# KiCad board AmigaPCI Mainboard.kicad_pcb (continued)
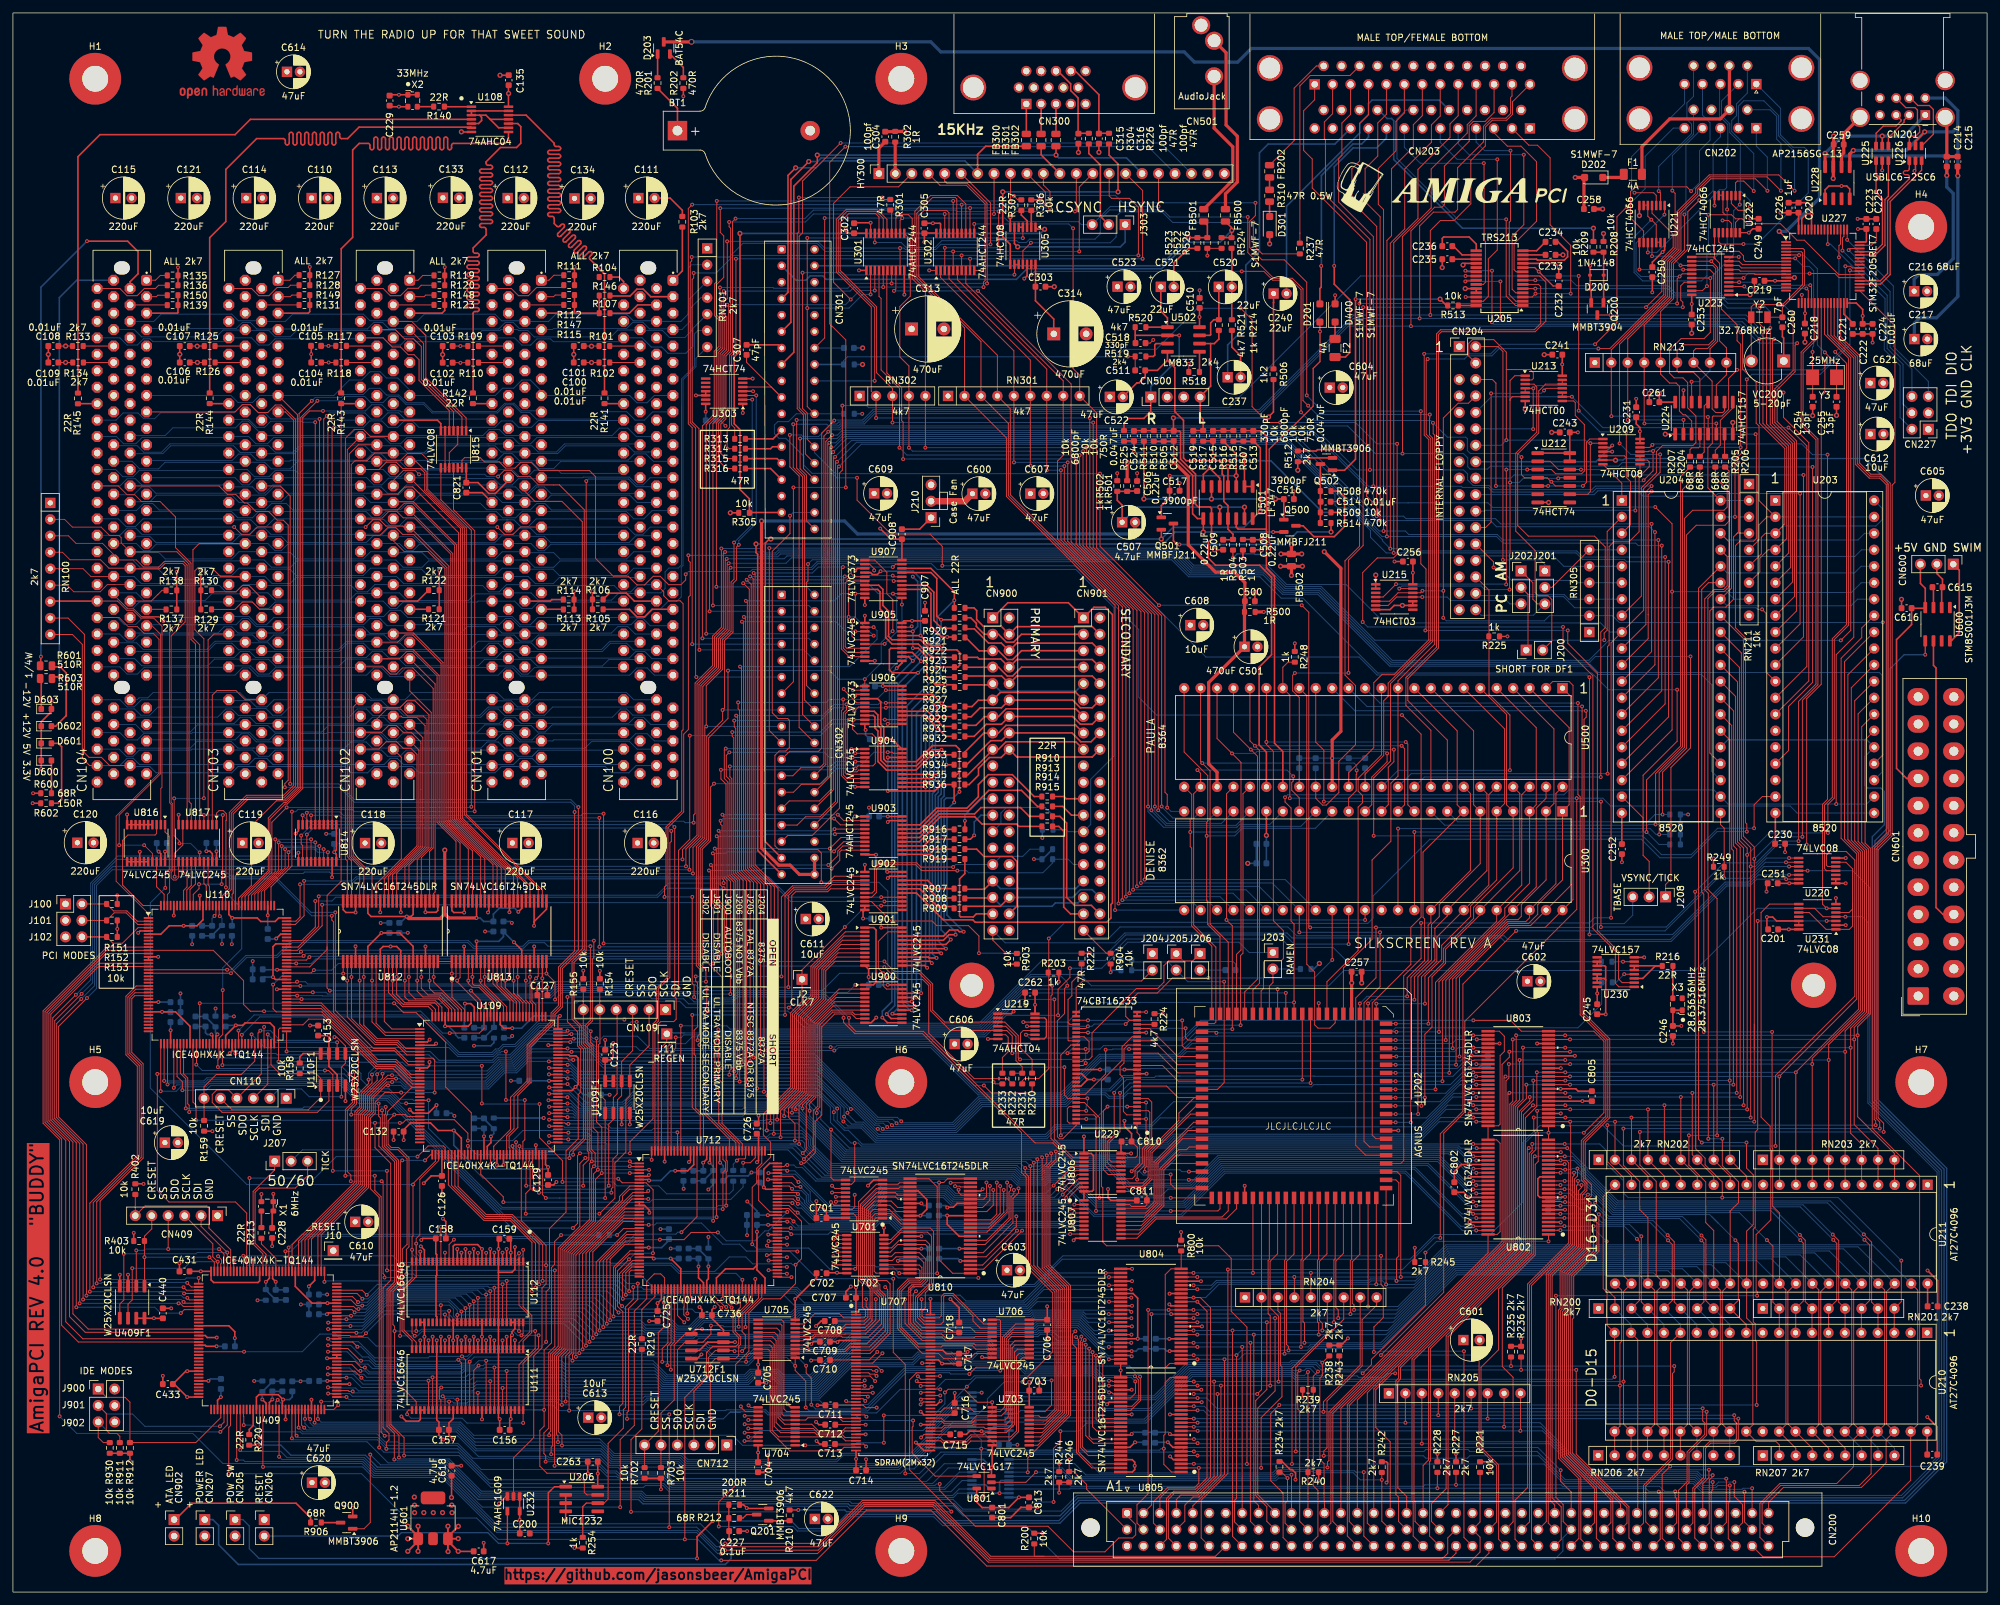
[diagram p0: board, top side]
## Routing (per net, layer and track width the routed paths; a pad name or vN(x,y) marks a point on that pad's centre or on a via; arc(x,y) is an arc through that point) (continued)
/Serial/AUDIOOUT: length 52.3
  Bottom w0.25: C237.1 187.55,192.58 190.36,195.38 190.36,204.89 192.46,207 192.46,222.25 193.8,223.59 204.1,223.59 CN203.36
/Serial/CD: length 99.1
  Top w0.15: v1(229.67,196.67) 229.66,196.69 v1(229.66,202.38) ; v1(271.91,193.47) 271.67,193.24 271.67,180.47 274.77,177.38 274.77,155.96 U203.7 ; v1(224.25,202.38) 224.44,202.57 U205.22
  Bottom w0.15: v1(271.91,193.47) 271.17,193.47 271.17,193.47 270.56,193.47 267.36,196.67 v1(229.67,196.67) ; v1(224.25,202.38) v1(229.66,202.38)
/Serial/CD-IN: length 36.3
  Top w0.15: v1(227.1,220.65) 227.13,220.62 227.13,216.73 227.14,216.72 227.14,208.77 227.34,208.56 227.34,202.24 227.02,201.92 U205.23
  Bottom w0.15: v1(227.1,220.65) 227.08,220.62 217.3,220.62 214.83,223.09 CN203.33
/Serial/CTS: length 83.8
  Top w0.15: v1(271.32,195.19) 271.32,180.31 274.47,177.17 274.47,158.2 U203.6 ; v1(235.06,201.27) 235.06,201.27 U205.5
  Bottom w0.15: v1(235.06,201.27) 235.06,201.27 255.5,201.27 256.5,200.27 263.51,200.27 264.78,199.01 270.02,199.01 271.32,197.71 v1(271.32,195.19)
/Serial/CTS-IN: length 36.6
  Top w0.15: v1(233.27,221.95) 233.27,211.15 231.47,209.35 231.47,201.17 232.02,200.62 U205.4
  Bottom w0.15: v1(233.27,221.95) 224.84,221.95 223.14,223.64 CN203.30
/Serial/DSR: length 90.3
  Top w0.15: v1(224.3,199.97) 224.3,199.97 U205.26 ; U203.5 274.17,160.44 274.17,176.97 270.75,180.39 270.75,194.77 269.65,195.87 v1(269.65,198.28)
  Bottom w0.15: v1(269.65,198.28) 264.68,198.28 262.98,199.97 v1(224.3,199.97)
/Serial/DSR-IN: length 36
  Top w0.15: U205.27 227.02,199.32 227.79,200.09 227.79,205.85 229.18,207.24 229.18,216.35 229.18,216.36 229.18,221.23 v1(229.18,221.23)
  Bottom w0.15: v1(229.18,221.23) 222.99,221.23 220.37,223.85 CN203.31
/Serial/DTR: length 110.7
  Top w0.15: v1(275.48,192.85) 275.16,192.53 275.16,188.44 272.38,185.66 272.38,180.75 275.37,177.77 275.37,151.48 U203.9 ; U205.20 224.43,203.87 v1(224.26,204.04) ; v1(228.36,204.04) v1(228.36,196.07)
  Bottom w0.15: v1(228.36,196.07) 228.65,195.77 266.66,195.77 269.58,192.85 v1(275.48,192.85) ; v1(224.26,204.04) v1(228.36,204.04)
/Serial/DTR-OUT: length 45
  Top w0.15: U205.1 231.99,198.67 230.56,200.11 v1(230.56,211.97)
  Bottom w0.15: v1(230.56,211.97) 223.08,211.97 213.69,221.36 213.69,227.45 215.09,228.85 CN203.45
/Serial/PWRLED: length 384.7
  Top w0.2: v2(247.44,174.77) 247.41,174.8 U209.6 ; v1(121.25,12.67) R210.1
  Bottom w0.2: 285.91,175.03 248.85,175.03 248.63,174.81 247.48,174.81 v2(247.44,174.77) ; 289.39,154.09 289.39,117.91 287.48,116 287.48,75.96 298.17,65.28 298.17,20.26 292.06,14.15 164.6,14.15 161.48,11.03 143.87,11.03 142.5,12.4 128.71,12.4 128.44,12.67 v1(121.25,12.67)
  Bottom w0.25: 285.91,175.03 289.39,171.55 289.39,154.09
/Serial/RI: length 46.3
  Top w0.25: R209.1 v2(244.02,210.6)
  Bottom w0.25: v2(244.02,210.6) 223.8,210.6 213.19,221.21 213.19,227.21 212.86,227.54 212.17,227.54 210.86,228.85
/Serial/RTS: length 94.1
  Top w0.15: U205.7 235.05,202.57 v1(235.05,202.57) ; v1(274.86,197.28) 274.86,188.63 272.03,185.81 272.03,180.61 275.07,177.57 275.07,153.72 U203.8
  Bottom w0.15: v1(274.86,197.28) 272.49,199.66 264.55,199.66 263.62,200.59 256.66,200.59 255.52,201.72 241.42,201.72 240.57,202.57 v1(235.05,202.57)
/Serial/RTS-OUT: length 32.8
  Top w0.15: U205.2 232.04,199.32 231.02,200.34 231.02,211.53 231.22,211.73 231.22,218.71 231.22,218.71 v1(231.22,222.58)
  Bottom w0.15: CN203.29 225.91,223.89 227.23,222.58 v1(231.22,222.58)
/Serial/SERAUD: length 47.9
  Bottom w0.25: C240.2 196.64,214 207.96,225.32 207.96,226.78 209.3,228.12 209.3,229.84 209.85,230.39 220.22,230.39 CN203.43
/Video/_COMPSYNC: length 85.9
  Top w0.15: v1(176.88,213.95) HY300.18 ; CN301.14 125.33,193.66 v1(125.33,212.16) ; v1(137.31,212.16) 136.97,211.82 U301.12
  Bottom w0.15: v1(176.88,213.95) 176.87,213.94 169.42,213.94 J303.3 164.95,211.16 164.49,211.62 153.71,211.62 153.15,212.17 136.44,212.17 136.44,212.17 125.34,212.17 v1(125.33,212.16) ; 123.76,192.1 128.28,192.1
/Video/B0: length 107.1
  Top w0.15: U302.9 147.77,205.87 v1(147.78,205.87) ; v1(111.63,205.87) 111.63,191.56 110.96,190.89 110.96,180.24 111.44,179.75 R313.2 ; HY300.16 174.42,216.42 v1(174.42,205.87)
  Bottom w0.15: v1(174.42,205.87) v1(147.78,205.87) v1(111.63,205.87)
/Video/B1: length 165.4
  Top w0.15: v1(105.1,203.69) 105.1,202.92 104.88,202.7 104.88,180.7 105.93,179.65 105.93,145.55 v1(105.99,145.49) ; U302.7 146.47,206.4 v1(146.47,206.4) ; v1(173.77,206.4) 173.77,213.83 172.39,215.21 169.63,215.21 169.26,215.58 HY300.15
  Bottom w0.15: v1(105.99,145.49) 122.1,145.49 CN302.10 ; v1(173.77,206.4) 173.77,206.4 v1(146.47,206.4) 146.25,206.4 111.28,206.4 108.57,203.69 v1(105.1,203.69)
/Video/B2: length 155.6
  Top w0.15: U302.5 145.17,207.01 v1(145.17,207.01) ; HY300.14 164.64,216.96 v1(164.64,207.01) ; v1(105.51,141.29) 105.4,141.4 105.4,179.75 104.57,180.58 104.57,205.32 104.8,205.54 v1(104.8,206.15)
  Bottom w0.15: v1(164.64,207.01) v1(145.17,207.01) 125.41,207.01 124.15,208.27 112.73,208.27 110.58,206.13 110.56,206.15 v1(104.8,206.15) ; CN302.11 v1(105.51,141.29)
/Video/B3: length 113.6
  Top w0.15: U302.3 143.87,207.57 v1(143.88,207.58) ; HY300.13 164.18,213.41 v1(163.97,213.2) ; v1(152.2,207.58) 152.2,207.98 152.2,207.99 v1(152.2,213.2) ; v1(111.57,212.08) 111.1,211.62 111.1,191.46 110.66,191.01 110.66,179.84 110.27,179.46 110.27,176.87 110.59,176.55 R314.2
  Bottom w0.15: v1(111.57,212.08) 122.27,212.08 123.58,213.39 145.5,213.39 145.73,213.16 150.3,213.16 150.45,213.32 152.08,213.32 v1(152.2,213.2) v1(163.97,213.2) ; v1(143.88,207.58) v1(152.2,207.58)
/Video/BLU0: length 115.3
  Top w0.15: v1(148.42,211.26) 148.42,211.26 U302.11 ; v1(178.22,121.14) 178.22,123.16 177.87,123.5 177.87,150.67 167.32,161.22 167.32,182.08 RN301.9 164.7,187.91 163.68,188.93 v1(163.68,210.59)
  Bottom w0.15: v1(148.42,211.26) 163.01,211.26 v1(163.68,210.59) ; U300.24 178.81,120.54 v1(178.22,121.14)
/Video/BLU1: length 145.3
  Top w0.15: U302.13 147.12,214.34 145.83,215.63 141.67,215.63 139.25,213.22 139.25,202.88 146.92,195.21 RN301.2 153.39,178.23 153.39,169.18 170.16,152.42 v1(170.16,105.31)
  Bottom w0.15: v1(170.16,105.31) 170.17,105.3 U300.25
/Video/BLU2: length 145.1
  Top w0.15: v1(170.7,106.33) 170.7,152.3 153.69,169.31 153.69,180.48 153.68,180.48 RN301.3 149.46,193.1 139.56,203 139.56,212.9 141.99,215.33 145.5,215.33 145.73,215.1 145.73,209.83
  Bottom w0.15: U300.26 182.35,106.33 174.85,106.33 174.85,106.32 170.7,106.32 v1(170.7,106.33)
/Video/BLU3: length 142.3
  Top w0.15: v1(171.29,106.85) 171.29,152.14 153.99,169.43 153.99,182.71 RN301.4 152,190.98 139.86,203.12 139.86,212.54 140.63,213.32 144.19,213.32 144.52,212.99 U302.17
  Bottom w0.15: v1(171.29,106.85) 171.3,106.85 184.36,106.85 U300.27
/Video/BLUE: length 87.3
  Top w0.25: CN301.15 120.57,191.44 120.57,217.1 124.19,220.72 v2(124.19,221.89) ; v2(161.05,221.89) 161.05,223.25
  Bottom w0.25: v2(124.19,221.89) v2(161.05,221.89) 161.48,221.46 171.92,221.46 HY300.17
/Video/BUR: length 139.2
  Top w0.15: v1(164.69,175.57) 164.69,161.7 175.26,151.14 v1(175.26,121.3) ; v1(136.88,176.72) 136.88,185.88 134.04,188.72 134.04,199.76 133.72,200.08 U301.4
  Bottom w0.15: v1(164.69,175.57) 138.02,175.57 v1(136.88,176.72) ; U300.18 194.06,118.54 189.41,118.54 188.96,118.09 177.66,118.09 175.26,120.5 v1(175.26,121.3)
/Video/BURST: length 46.7
  Top w0.15: v1(133.05,187.02) 133.05,198.34 127.43,203.96 127.43,211.85 128.77,213.2 133.28,213.2 134.37,212.11 U301.16
  Bottom w0.15: CN301.18 v1(133.05,187.02)
/Video/C4: length 15.5
  Top w0.15: C307.1 113.27,189.9 CN301.19 117.09,186.08 U303.5
/Video/COMPVID: length 147.9
  Top w0.15: CN302.13 120.5,140.57 v1(120.5,170.57) ; v1(128.58,170.57) 128.58,176.11 128.59,176.11 128.59,193.35 126.1,195.84 126.1,220.77 v1(128.53,223.2)
  Bottom w0.15: v1(128.53,223.2) 175.26,223.2 HY300.19 ; v1(120.5,170.57) v1(128.58,170.57)
/Video/G0: length 145.3
  Top w0.15: v1(147.78,213.71) 147.77,213.71 U302.12 ; v1(160.12,213.72) 160.12,216.26 159.1,217.28 HY300.11 ; v1(107.04,147.98) 107.03,147.98 107.03,180.24 108.58,181.78 108.58,191.48 109.31,192.21 109.31,196.54 108.63,197.21 108.63,201.89 109.75,203 109.75,209.41 109.21,209.95 v1(109.21,213.69)
  Bottom w0.15: v1(107.04,147.98) 122.83,147.98 CN302.6 ; v1(160.12,213.72) 159.31,213.72 147.3,213.72 147.26,213.69 v1(109.21,213.69)
/Video/G1: length 147.1
  Top w0.15: v1(146.48,214.24) 146.47,214.23 U302.14 ; HY300.10 159.41,216.19 v1(159.41,214.27) ; v1(104.87,214.24) 104.28,213.64 104.28,180.39 104.88,179.79 104.88,146.37 v1(104.88,146.37)
  Bottom w0.15: v1(159.41,214.27) 159.38,214.24 v1(146.48,214.24) v1(104.87,214.24) ; CN302.7 v1(104.88,146.37)
/Video/G2: length 141.3
  Top w0.15: v1(154.02,214.81) HY300.9 ; v1(106.45,147.27) 106.45,180.08 108.28,181.91 108.28,191.61 109,192.33 109,196.41 108.34,197.08 108.34,202.02 108.67,202.35 v1(108.67,214.81) ; U302.16 145.17,214.81 v1(145.17,214.81)
  Bottom w0.15: CN302.8 122.86,147.27 v1(106.45,147.27) ; v1(154.02,214.81) v1(145.17,214.81) v1(108.67,214.81)
/Video/G3: length 89.6
  Top w0.15: HY300.8 151.48,212.8 v1(151.47,212.79) ; U302.18 143.87,212.79 v1(143.87,212.79) ; v1(110.58,211.56) 110.58,210.82 110.81,210.59 110.81,191.59 110.08,190.86 110.08,181.16 109.29,180.37 109.29,175.82 110.09,175.02 R315.2
  Bottom w0.15: v1(151.47,212.79) v1(143.87,212.79) 123.59,212.79 122.36,211.56 v1(110.58,211.56)
/Video/GREEN: length 73.4
  Top w0.25: v2(122.87,220.89) 120.12,218.14 120.12,196.07 CN301.11 ; FB301.2 158.75,221.93 HY300.12
  Bottom w0.25: v2(122.87,220.89) 124.23,220.89 124.78,221.44 159.24,221.44 HY300.12
/Video/GRN0: length 125.1
  Top w0.15: U302.8 147.12,202.06 162.16,187.03 RN301.8 162.16,175.53 161.28,174.65 161.28,162.57 171.84,152.01 v1(171.84,107.39)
  Bottom w0.15: U300.28 186.37,107.38 171.85,107.38 v1(171.84,107.39)
/Video/GRN1: length 128.1
  Top w0.15: v1(161.81,173.23) 161.81,162.47 172.38,151.89 v1(172.38,107.91) ; U302.6 145.82,202.64 159.62,188.85 RN301.7 159.62,173.24 v1(159.63,173.23)
  Bottom w0.15: v1(159.63,173.23) 159.63,173.23 v1(161.81,173.23) ; U300.29 188.38,107.91 172.38,107.91 v1(172.38,107.91)
/Video/GRN2: length 132.3
  Top w0.15: U302.4 144.52,202.81 157.08,190.25 RN301.6 157.08,173.95 v1(157.11,173.92) ; v1(162.33,173.86) 162.33,162.37 172.95,151.75 v1(172.95,108.44)
  Bottom w0.15: v1(162.33,173.86) 157.16,173.86 v1(157.11,173.92) ; U300.30 190.39,108.44 v1(172.95,108.44)
/Video/GRN3: length 136.6
  Top w0.15: v1(154.56,174.44) 154.54,174.46 RN301.5 154.54,191.68 143.22,203 U302.2 ; v1(173.54,108.97) 173.54,151.58 162.86,162.27 v1(162.86,174.44)
  Bottom w0.15: v1(173.54,108.97) 192.4,108.97 U300.31 ; v1(162.86,174.44) v1(154.56,174.44)
/Video/PIXELSW: length 59
  Top w0.15: v1(121.34,215.33) 121.34,210.03 121.09,209.78 121.09,182.74 122.05,181.77 122.05,173.49 CN301.30 ; R301.1 134.53,215.04 v1(134.24,215.33)
  Bottom w0.15: v1(134.24,215.33) v1(121.34,215.33)
/Video/PSW: length 154.6
  Top w0.15: v1(164.17,174.97) 164.17,161.8 174.73,151.24 174.73,110.6 174.73,110.6 v1(174.73,110.02) ; v1(137.44,174.94) 137.44,180.65 137.21,180.88 137.21,185.98 137.2,185.98 134.93,188.26 134.93,204.06
  Bottom w0.15: v1(164.17,174.97) 137.47,174.97 v1(137.44,174.94) ; v1(174.73,110.02) 196.44,110.02 U300.33
/Video/R0: length 127.9
  Top w0.15: v1(110.27,208.57) 110.29,208.55 110.29,199.73 109.75,199.19 109.75,197.36 110.21,196.91 110.21,191.84 109.48,191.11 109.48,181.41 108.61,180.54 v1(108.61,155.23) ; v1(136.97,207.53) 136.97,207.53 U301.9 ; v1(150.93,208.1) 150.93,214.51 HY300.6
  Bottom w0.15: v1(110.27,208.57) 124.28,208.57 125.31,207.53 v1(136.97,207.53) 137.57,207.53 137.79,207.31 142.47,207.31 143.26,208.1 v1(150.93,208.1) ; CN302.2 122.54,155.21 108.63,155.21 v1(108.61,155.23)
/Video/R1: length 127.3
  Top w0.15: v1(109.16,201.44) 109.16,201.44 109.16,197.11 109.6,196.66 109.6,192.09 108.88,191.36 108.88,181.66 107.56,180.33 107.56,151.44 v1(107.56,151.44) ; U301.7 135.67,202.08 v1(135.67,202.08) ; HY300.5 143.86,217.89 144.22,217.53 147.33,217.53 150.39,214.47 150.39,207.89 150.42,207.86 150.42,202.11 v1(150.39,202.08)
  Bottom w0.15: CN302.3 107.57,151.45 v1(107.56,151.44) ; v1(109.16,201.44) 117.36,201.44 117.47,201.33 128.9,201.33 129.65,202.08 v1(135.67,202.08) v1(150.39,202.08)
/Video/R2: length 132.3
  Top w0.15: v1(149.85,201.51) 149.85,202.28 150.12,202.55 150.12,207.7 150.09,207.73 150.09,214.35 147.21,217.23 143.13,217.23 HY300.4 ; v1(109.76,200.89) 109.76,199.62 109.46,199.32 109.46,197.24 109.91,196.79 109.91,191.96 109.18,191.24 109.18,181.53 108.08,180.43 v1(108.08,152.35) ; v1(134.37,201.51) 134.37,201.51 U301.5
  Bottom w0.15: v1(108.08,152.35) 108.1,152.33 122.88,152.33 CN302.4 ; v1(149.85,201.51) v1(134.37,201.51) 129.89,201.51 129.27,200.89 v1(109.76,200.89)
/Video/R3: length 84.6
  Top w0.15: v1(110.28,198.79) 110.5,198.57 110.5,191.71 109.78,190.99 109.78,181.28 108.95,180.45 108.95,174.69 110.15,173.49 R316.2 ; v1(129.35,199.59) 126.7,202.24 126.7,214.44 129.25,216.99 136.73,216.99 HY300.3 ; v1(133.07,200.99) 133.07,200.99 U301.3
  Bottom w0.15: v1(110.28,198.79) 128.55,198.79 v1(129.35,199.59) 130.75,200.99 v1(133.07,200.99)
/Video/RED: length 61.5
  Top w0.25: FB300.2 150.2,223.27 148.92,221.99 148.94,221.97 HY300.7 ; v2(120.85,219.93) 119.67,218.75 119.67,200.7 CN301.7
  Bottom w0.25: HY300.7 146.99,220.99 125.03,220.99 123.97,219.93 v2(120.85,219.93)
/Video/RED0: length 138.8
  Top w0.15: 137.61,209.81 138.55,208.88 138.55,200.12 136.93,198.51 136.93,190.73 138.34,189.32 RN302.4 v1(138.34,176.72) ; v1(175.78,120.72) 175.78,151.04 165.22,161.6 v1(165.22,176.17)
  Bottom w0.15: v1(138.34,176.72) 138.88,176.17 v1(165.22,176.17) ; v1(175.78,120.72) 175.78,120.61 178,118.39 188.84,118.39 U300.20
/Video/RED1: length 140.7
  Top w0.15: U301.13 136.32,212.19 136.82,212.69 138.25,212.69 138.85,212.08 138.85,202.81 140.88,200.77 RN302.5 140.88,176.73 v1(140.87,176.72) ; v1(176.31,121.3) 176.31,150.97 165.74,161.53 v1(165.74,176.72)
  Bottom w0.15: v1(176.31,121.3) 176.31,120.51 178.12,118.69 186.6,118.69 U300.21 ; v1(165.74,176.72) v1(140.87,176.72)
/Video/RED2: length 152.9
  Top w0.15: 134.95,209.81 134.95,211.96 133.41,213.5 128.65,213.5 127.12,211.98 127.12,203.84 132.52,198.44 132.52,185.44 RN302.2 133.26,181.3 v1(133.27,181.29) ; v1(166.28,181.3) 166.26,181.28 166.26,161.43 176.83,150.87 v1(176.83,120.73)
  Bottom w0.15: v1(176.83,120.73) 178.56,118.99 184.36,118.99 U300.22 ; v1(166.28,181.3) 133.28,181.3 v1(133.27,181.29)
/Video/RED3: length 145.4
  Top w0.15: v1(166.79,180.59) 166.79,161.33 177.35,150.77 v1(177.35,121.31) ; U301.17 133.72,212.34 133.18,212.88 129.08,212.88 127.72,211.52 127.72,204.08 133.35,198.46 133.35,188.28 135.8,185.83 RN302.3 v1(135.8,180.59)
  Bottom w0.15: v1(177.35,121.31) 177.35,121.26 179.1,119.52 182.35,119.52 U300.23 ; v1(166.79,180.59) v1(135.8,180.59)
/Video/SYNC: length 109.2
  Top w0.15: CN301.28 122.35,175.73 122.35,181.9 121.39,182.86 121.39,209.37 121.92,209.9 121.92,217.88 125.4,221.36 125.4,221.37 v1(127.79,223.76)
  Bottom w0.15: v1(127.79,223.76) 177.24,223.76 HY300.20
_AS: length 113.2
  Top w0.15: U712.116 112.62,69.23 109.49,72.36 109.49,78.66 108.91,79.23 v1(108.91,86.88) ; U202.24 v1(195.26,93.1)
  Bottom w0.15: v1(195.26,93.1) 156.14,93.1 149.68,86.63 109.16,86.63 v1(108.91,86.88)
_AWE: length 53.7
  Top w0.15: U202.21 199.07,79.14 v1(199.08,79.13) ; v1(170.03,77.08) 170.03,70.59 168.95,69.51 168.95,66.35 169.53,65.77 U806.17
  Bottom w0.15: v1(199.08,79.13) 171.92,79.13 170.03,77.24 v1(170.03,77.08)
_BB: length 24.2
  Top w0.15: CN200.b1 165.77,15.89 165.77,16.61 163.77,18.61 R246.2 v1(163.08,20.46)
  Bottom w0.15: v1(163.08,20.46) 163.07,20.46 U809.11
_BEN: length 153
  Top w0.15: U409.91 10.1,38.61 7.51,41.2 7.51,69.95 4.95,72.51 4.95,89.61 14.43,99.09 U110.11 30.93,99.09 35.6,94.41 35.6,90.74 36.66,89.69 v1(38.77,89.69) ; v1(67.44,86.31) 72.01,86.31 72.73,87.03 U109.128
  Bottom w0.15: v1(67.44,86.31) 66.34,86.31 62.96,89.69 v1(38.77,89.69)
_BG: length 275.4
  Top w0.15: v1(60.75,49.1) 60.75,52.92 61.15,53.32 61.15,67.03 59.55,68.63 58.42,68.63 57.93,69.13 57.93,72.76 v1(58.88,73.72) 60.6,73.72 60.88,73.44 U109.28 ; CN200.c22 224.03,8.43 v1(224.03,37.19) ; U110.75 44.78,87.59 45.66,88.47 47.97,88.47 53.33,83.1 53.33,78.83 53.04,78.54 53.04,75.37 52.23,74.56 v1(52.23,73.72) ; v1(210.13,37.06) 210.13,40.94 211.57,42.38 211.57,47.19 211.23,47.54 v1(211.23,51.91)
  Bottom w0.15: v1(211.23,51.91) 162.11,51.91 157.68,47.48 139.15,47.48 138.11,46.44 121.67,46.44 121.07,47.05 98.85,47.05 97.02,48.88 62.09,48.88 61.87,49.1 v1(60.75,49.1) ; v1(52.23,73.72) 58.88,73.72 v1(58.88,73.72) ; v1(224.03,37.19) 210.93,37.19 210.81,37.06 v1(210.13,37.06)
_BHS: length 255.9
  Top w0.15: v1(133.07,208.4) 133.07,208.4 U301.18 ; v1(190.66,212.33) 190.66,206.85 194.64,202.87 197.54,202.87 199.18,201.23 199.18,184 v1(199.98,183.2) ; v1(268.83,117.95) 268.83,121.56 270.11,122.84 U203.19 ; v1(210.1,116.78) 210.1,116.78 210.1,125.71 212.69,128.31 212.69,140.28 219.2,146.79 219.2,178.21 218.72,178.69 218.72,181.26 218.76,181.3 v1(218.76,181.83)
  Bottom w0.15: v1(133.07,208.4) 137.13,208.4 137.92,207.61 142.35,207.61 143.41,208.67 154.99,208.67 155.26,208.39 156.46,208.39 156.98,208.91 167.06,208.91 167.88,209.73 167.88,211.98 169.33,213.42 177.54,213.42 178.63,212.33 v1(190.66,212.33) ; v1(268.83,117.95) 263.21,117.95 259.13,113.87 254.53,113.87 251.63,116.77 210.11,116.77 v1(210.1,116.78) ; v1(199.98,183.2) 201.35,181.83 v1(218.76,181.83)
_BR: length 53.6
  Top w0.15: CN200.a11 v1(197.41,18.12) ; U801.2 156.39,16.95 v1(157.96,18.51)
  Bottom w0.15: v1(197.41,18.12) 195.5,18.12 194.87,17.49 163.26,17.49 162.24,18.51 v1(157.96,18.51)
_BREG: length 47.8
  Top w0.15: 36.53,49.59 v1(36.53,63.93) ; U109.41 66.73,68.63 66.47,68.89 64.11,68.89 v1(62.46,67.24)
  Bottom w0.15: v1(62.46,67.24) 49.91,67.24 46.59,63.92 36.53,63.92 v1(36.53,63.93)
_BRST: length 336.6
  Top w0.15: v1(189.72,203.94) 193.15,203.94 194.52,202.57 197.41,202.57 198.88,201.1 v1(198.88,182.17) ; v1(157.23,203.41) U305.13 ; v1(232.91,175.26) 232.91,172.54 233.38,172.06 U212.4 236.88,172.06 237.5,171.45 v1(237.52,171.45) 237.52,171.42 238.15,170.79 U212.10 ; v1(219.25,180.55) 219.28,180.52 219.28,178.87 219.5,178.65 219.5,146.36 213.85,140.71 U500.11 213.85,126 212.75,124.9 212.75,115.94 209.85,113.03 209.85,100.79 205.42,96.36 U202.16 ; U209.11 252.52,176.1 252.62,176.2 v1(253.23,176.2) 253.23,173.13 v1(251.78,171.68) ; U227.7 267.47,205.47 267.19,205.75 267.19,206.34 266.5,207.03 263.98,207.03 263.8,206.85 263.8,198.1 266.2,195.7 266.2,193.23 266.76,192.67 v1(266.76,176.77) 266.76,176.52 265.35,175.11 265.35,155.02 U204.34
  Bottom w0.15: v1(157.23,203.41) 157.76,203.94 v1(189.72,203.94) ; v1(251.78,171.68) 251.55,171.45 v1(237.52,171.45) ; U203.34 284.81,153.32 283.78,152.29 264.68,152.29 U204.34 ; v1(198.88,182.17) 200.14,180.91 218.89,180.91 v1(219.25,180.55) 221.47,178.33 224.32,178.33 224.56,178.09 224.56,176.26 225.01,175.81 232.36,175.81 v1(232.91,175.26) ; v1(253.23,176.2) 253.8,176.77 v1(266.76,176.77)
_BUFEN: length 261.3
  Top w0.15: U803.25 229.5,86.6 230.27,85.83 230.27,83.48 229.62,82.83 229.62,72.25 229.37,72 U803.48 U802.25 229.08,69.83 229.62,69.29 229.62,55.66 229.19,55.23 U802.48 227.75,52.39 203.19,27.82 203.19,20.31 202.96,20.09 v1(202.96,19.25) ; U409.119 35.59,27.14 35.64,27.09 v1(35.64,25.78)
  Bottom w0.15: v1(35.64,25.78) 37.14,25.78 38.19,24.74 44.36,24.74 44.66,24.44 56.19,24.44 57.44,23.18 59.44,23.18 59.67,22.95 68.7,22.95 70.99,20.66 82.47,20.66 82.69,20.43 85.88,20.43 86.1,20.66 90.51,20.66 91.91,19.26 93.4,19.26 94.12,18.54 101.46,18.54 102.48,17.52 140.02,17.52 143.78,21.28 164.84,21.28 167.73,18.39 194.5,18.39 195.35,19.25 v1(202.96,19.25)
_BURST: length 25.2
  Top w0.15: U110.80 47.62,90.09 56.27,81.44 59.11,81.44 61.61,78.94 U109.17
_BUSGRANT0: length 143
  Top w0.15: U110.119 35.34,107.3 39.43,111.38 39.43,119.52 41.83,121.93 42.24,121.93 44.43,124.12 44.43,181.36 v1(47.01,183.95)
  Bottom w0.13: CN100.A17 98.76,182.23 97.5,180.97 96.06,180.97 94.77,182.26 91.72,182.26 90.59,181.13 80.82,181.13 79.79,182.16 78.43,182.16 77.25,183.34 76.05,183.34 74.78,182.07 64.72,182.07 63.37,183.42 60.65,183.42 59.46,184.61 58.07,184.61 57.13,183.67 55.26,183.67 54.32,184.61 51.37,184.61 50.71,183.95 v1(47.01,183.95)
_BUSGRANT1: length 122
  Top w0.15: U110.120 34.84,107.15 36.81,109.12 36.81,118.31 40.68,122.18 42.13,122.18 44.18,124.22 44.18,181.97 v1(46.14,183.94)
  Bottom w0.13: v1(46.14,183.94) 46.69,184.48 50.74,184.48 51.17,184.92 54.08,184.92 55.04,185.88 56.64,185.88 57.68,184.84 59.56,184.84 60.75,183.65 63.47,183.65 64.82,182.3 74.68,182.3 75.95,183.57 77.35,183.57 78.52,182.4 81.42,182.4
_BUSGRANT2: length 97
  Top w0.15: U110.118 35.84,107.44 39.68,111.28 39.68,119.32 42.03,121.68 42.34,121.68 44.74,124.08 44.74,181.33 45.79,182.38 v1(47.87,182.38)
  Bottom w0.13: CN102.A17 59.91,182.23 59.75,182.4 57.88,182.4 56.94,183.34 55.38,183.34 54.42,182.38 v1(47.87,182.38)
_BUSGRANT3: length 85.8
  Top w0.15: U110.125 32.34,107.53 33.41,108.6 33.41,120.4 36.04,123.03 41.78,123.03 43.32,124.57 43.32,180.96 42.06,182.23 CN103.A17
_BUSGRANT4: length 108.3
  Top w0.15: U110.124 32.84,107.61 33.71,108.48 33.71,120.27 36.17,122.73 41.91,122.73 43.62,124.45 43.62,181.09 41.41,183.3 40.5,183.3 39.34,182.14 37.87,182.14 36.66,183.35 35.4,183.35 34.29,182.23 CN104.A17
_BUSREQ0: length 17.7
  Top w0.13: U110.112 38.84,108.31 42.54,112.01 v1(42.54,114.24) ; v1(48.63,114.24) 48.62,114.23 U814.18
  Bottom w0.13: v1(48.63,114.24) 47.06,114.24 46.58,114.73 43.03,114.73 v1(42.54,114.24)
_BUSREQ1: length 18.9
  Top w0.13: v1(41.49,115.19) 41.49,111.61 37.84,107.96 U110.114 ; U814.16 47.32,115.17
  Bottom w0.13: 47.32,115.19 41.49,115.19 v1(41.49,115.19)
  vias: v1(47.31,115.19)
_BUSREQ2: length 18.3
  Top w0.13: U814.17 47.97,114.71 v1(47.97,114.72) ; U110.113 38.34,108.13 42.02,111.81 v1(42.02,114.72)
  Bottom w0.13: v1(42.02,114.72) 42.26,114.96 46.67,114.96 46.91,114.72 v1(47.97,114.72)
_BUSREQ3: length 20.8
  Top w0.13: v1(40.5,116.24) 40.5,111.27 36.84,107.61 U110.116 ; v1(46.03,116.24) 46.03,116.23 U814.14
  Bottom w0.13: v1(46.03,116.24) v1(40.5,116.24)
_BUSREQ4: length 19.9
  Top w0.13: U814.15 46.68,115.75 v1(46.68,115.76) ; U110.115 37.34,107.78 41.02,111.46 v1(41.02,115.76)
  Bottom w0.13: v1(41.02,115.76) v1(46.68,115.76)
_CASL: length 23.2
  Top w0.15: U229.55 165.73,73.05 v1(165.73,73.05) ; v1(172.03,74.96) 172.03,74.96 U229.5 ; U806.15 169.11,64.47 168.35,65.23 168.35,74.3 v1(169.01,74.96)
  Bottom w0.15: v1(165.73,73.05) 167.1,73.05 v1(169.01,74.96) v1(172.03,74.96)
_CASU: length 17.2
  Top w0.15: v1(174.95,75.59) 173.56,75.59 ; U806.14 172.81,63.82 173.25,64.26 173.25,65.09 174.37,66.21 174.37,68.46 174.95,69.04 v1(174.95,73.05) 174.95,73.05 U229.2
  Bottom w0.15: v1(174.95,73.05) v1(174.95,75.59)
_CBE0: length 113.1
  Top w0.15: U817.2 30.78,138.49 31.5,139.21 34.42,139.21 35.84,137.78 CN103.A52
  Bottom w0.13: CN101.A52 80.13,137.78 81.24,138.89 94.74,138.89 95.85,137.78 CN100.A52 ; CN103.A52 39.51,138.89 54.42,138.89 55.43,137.88 58.63,137.88 ; 38.31,137.88 36.04,137.88 35.03,138.89 21.63,138.89 20.82,138.08 19.47,138.08 19.17,137.78 CN104.A52 ; 78.96,137.87 75.8,137.87 74.78,138.89 61.64,138.89 60.53,137.78 CN102.A52
_CBE1: length 115.6
  Top w0.15: CN103.B44 31.05,147.94 30.13,147.02 U817.3
  Bottom w0.13: 33.47,147.79 37,147.79 37.95,146.84 39.31,146.84 40.25,147.78 53.48,147.78 ; 74.1,147.78 77.38,147.78 78.32,146.84 80.17,146.84 81.11,147.78 94.11,147.78 ; 73.87,147.85 60.86,147.85 59.85,146.84 58.27,146.84 57.3,147.81 53.78,147.81 ; 33.17,147.79 19.49,147.79 18.54,146.84 17.56,146.84 16.46,147.94 CN104.B44
_CBE2: length 135.7
  Top w0.15: CN103.B33 28.76,161.91 27.79,160.94 27.79,147.31 28.83,146.27 U817.5
  Bottom w0.13: 56.07,161.81 42.43,161.81 41.42,160.8 40.47,160.8 39.36,161.91 35.85,161.91 ; 56.18,161.91 59.68,161.91 60.8,160.79 61.74,160.79 62.75,161.8 76.39,161.8 ; 96.7,161.8 83.06,161.8 82.05,160.79 81.11,160.79 79.99,161.91 76.49,161.91 ; 35.76,161.81 22.12,161.81 21.11,160.8 20.16,160.8 19.05,161.91 CN104.B33
_CBE3: length 146.8
  Top w0.13: 16.26,170.8 17.62,169.44 18.8,169.44 19.84,168.4 22.72,168.4 23.12,168
  Top w0.15: 16.26,170.8 CN104.B26 ; 23.12,168 25.1,166.02 25.1,161.27 27.49,158.88 27.49,147.1 28.18,146.41 U817.6
  Bottom w0.13: CN104.B26 16.52,170.8 17.63,171.91 18.92,171.91 19.88,170.95 33.18,170.95 ; 73.8,170.95 60.74,170.95 59.46,169.66 57.84,169.66 56.84,170.66 53.77,170.66 ; 53.49,170.95 40.13,170.95 38.87,169.69 37.94,169.69 36.97,170.66 33.46,170.66 ; 74.09,170.65 77.61,170.65 78.58,169.68 79.5,169.68 80.76,170.94 80.99,170.94 81,170.95 82.17,170.95 82.18,170.94 94.12,170.94
_CCAS: length 33.4
  Top w0.15: v1(111.7,44.68) 111.12,45.26 U712.62 ; U707.18 132.54,34.35 132.75,34.14 v1(133.32,34.14)
  In2.Cu w0.15: v1(111.7,44.68) 125.96,44.68 132.32,38.31 132.32,35.14 v1(133.32,34.14)
_CDAC: length 66.8
  Top w0.15: v1(165.97,87.36) 165.63,87.02 U229.33 ; v1(184.58,94.82) 179.01,94.82 176.68,92.49 173.69,92.49 171.81,90.61 171.81,88.89 172.41,88.29 U229.26 172.4,88.29 v1(171.81,87.71) ; v1(156.57,87.36) U219.11 ; v1(203.7,97.61) 203.69,97.62 U300.34